# Altium PCB PCB1.PcbDoc (part 1 of 2)
Units mm, origin at the board's own origin, x right, y up, seen from the top; angles counter-clockwise.
Board outline 97.79 x 98.55 mm, 2 copper layers (Top Layer, Bottom Layer); 91 components, 149 nets, 486 pads, 202 vias.
Unrouted connection lines stored in the file: 1.
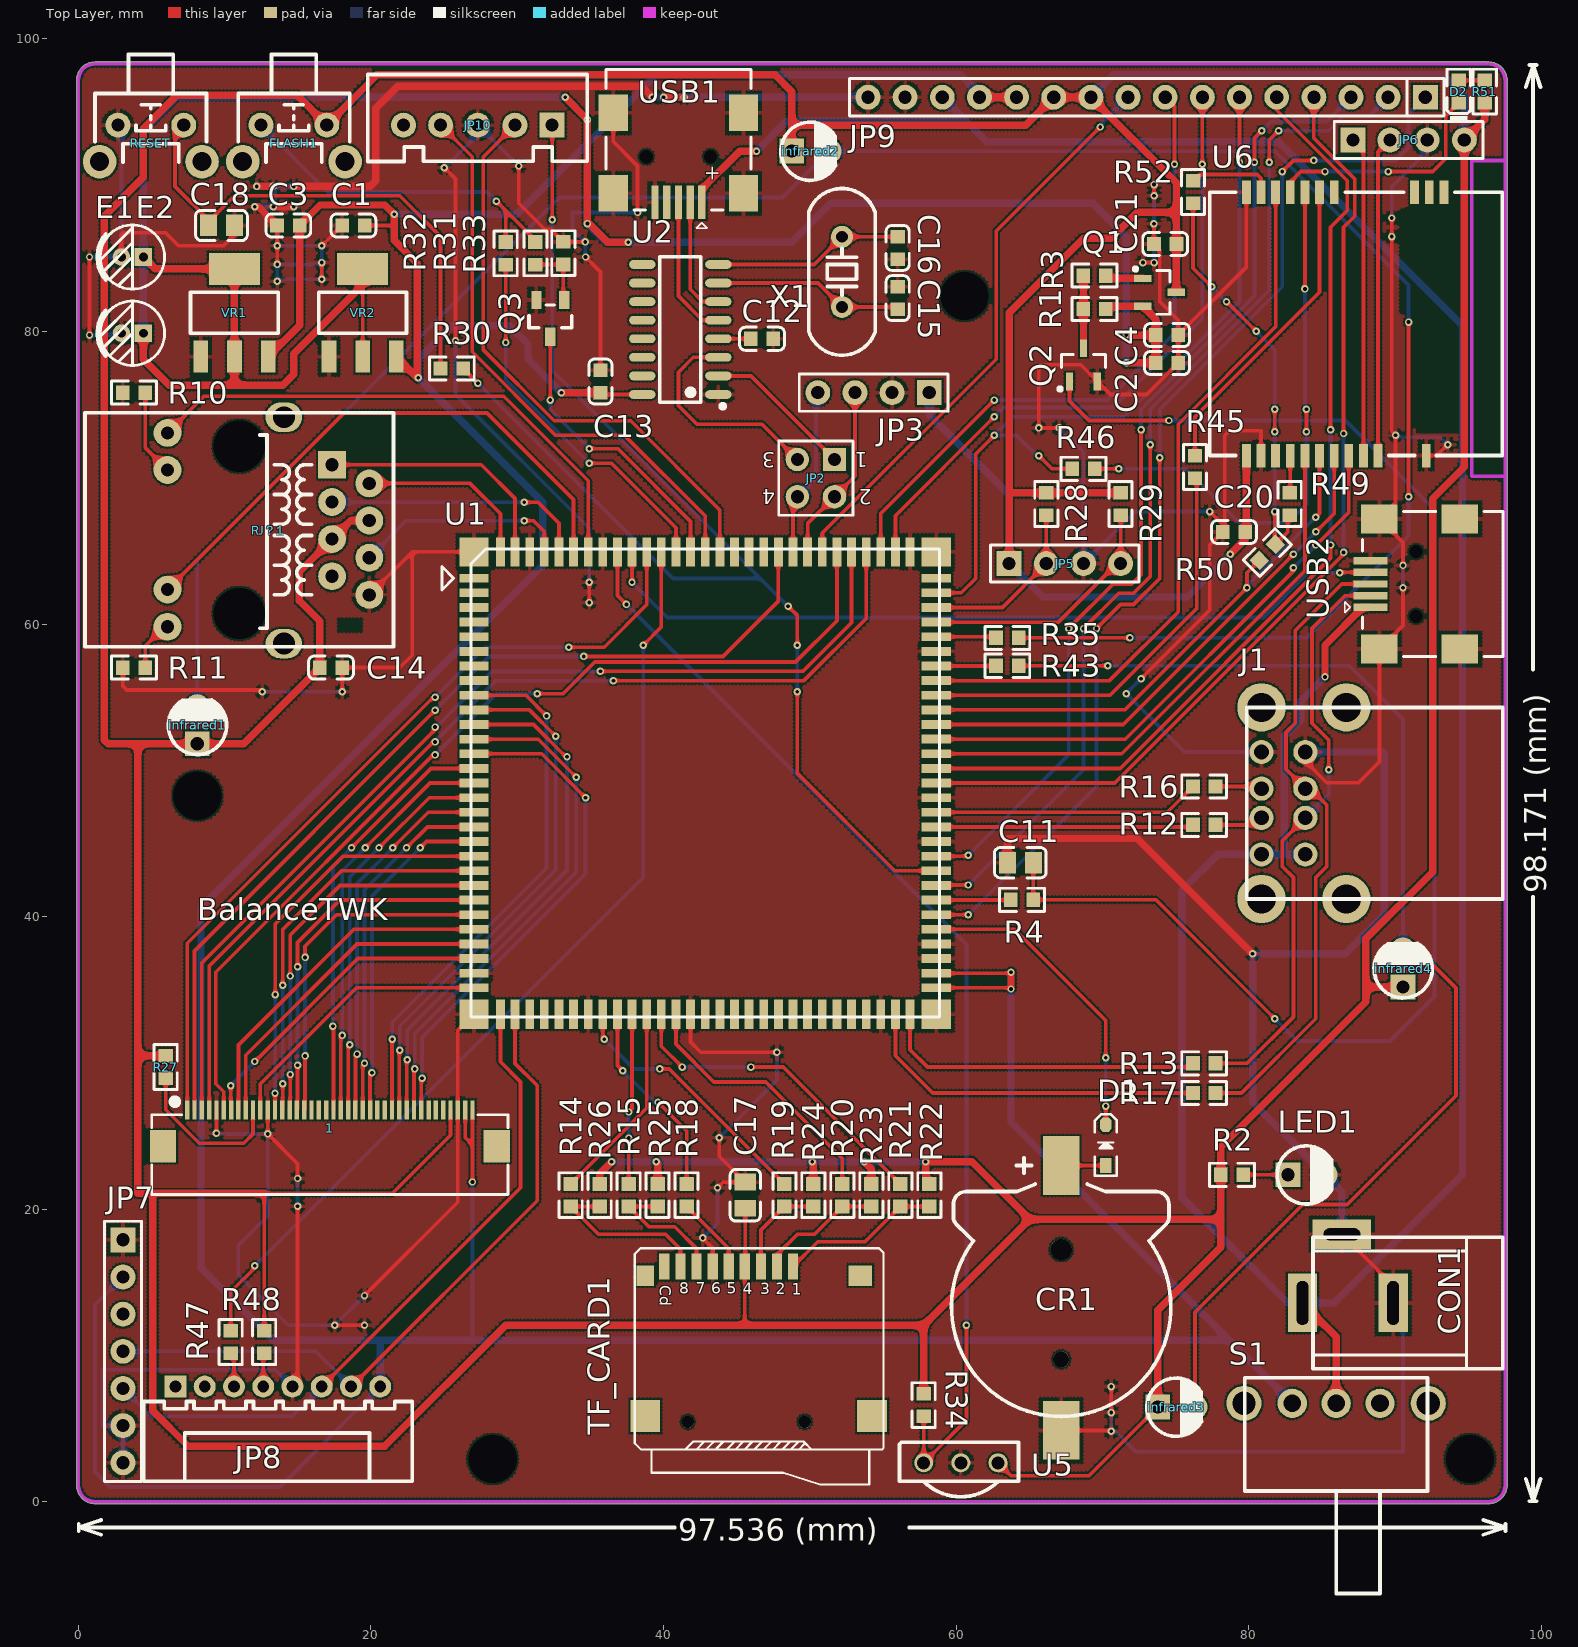
[diagram p0: Top Layer view]
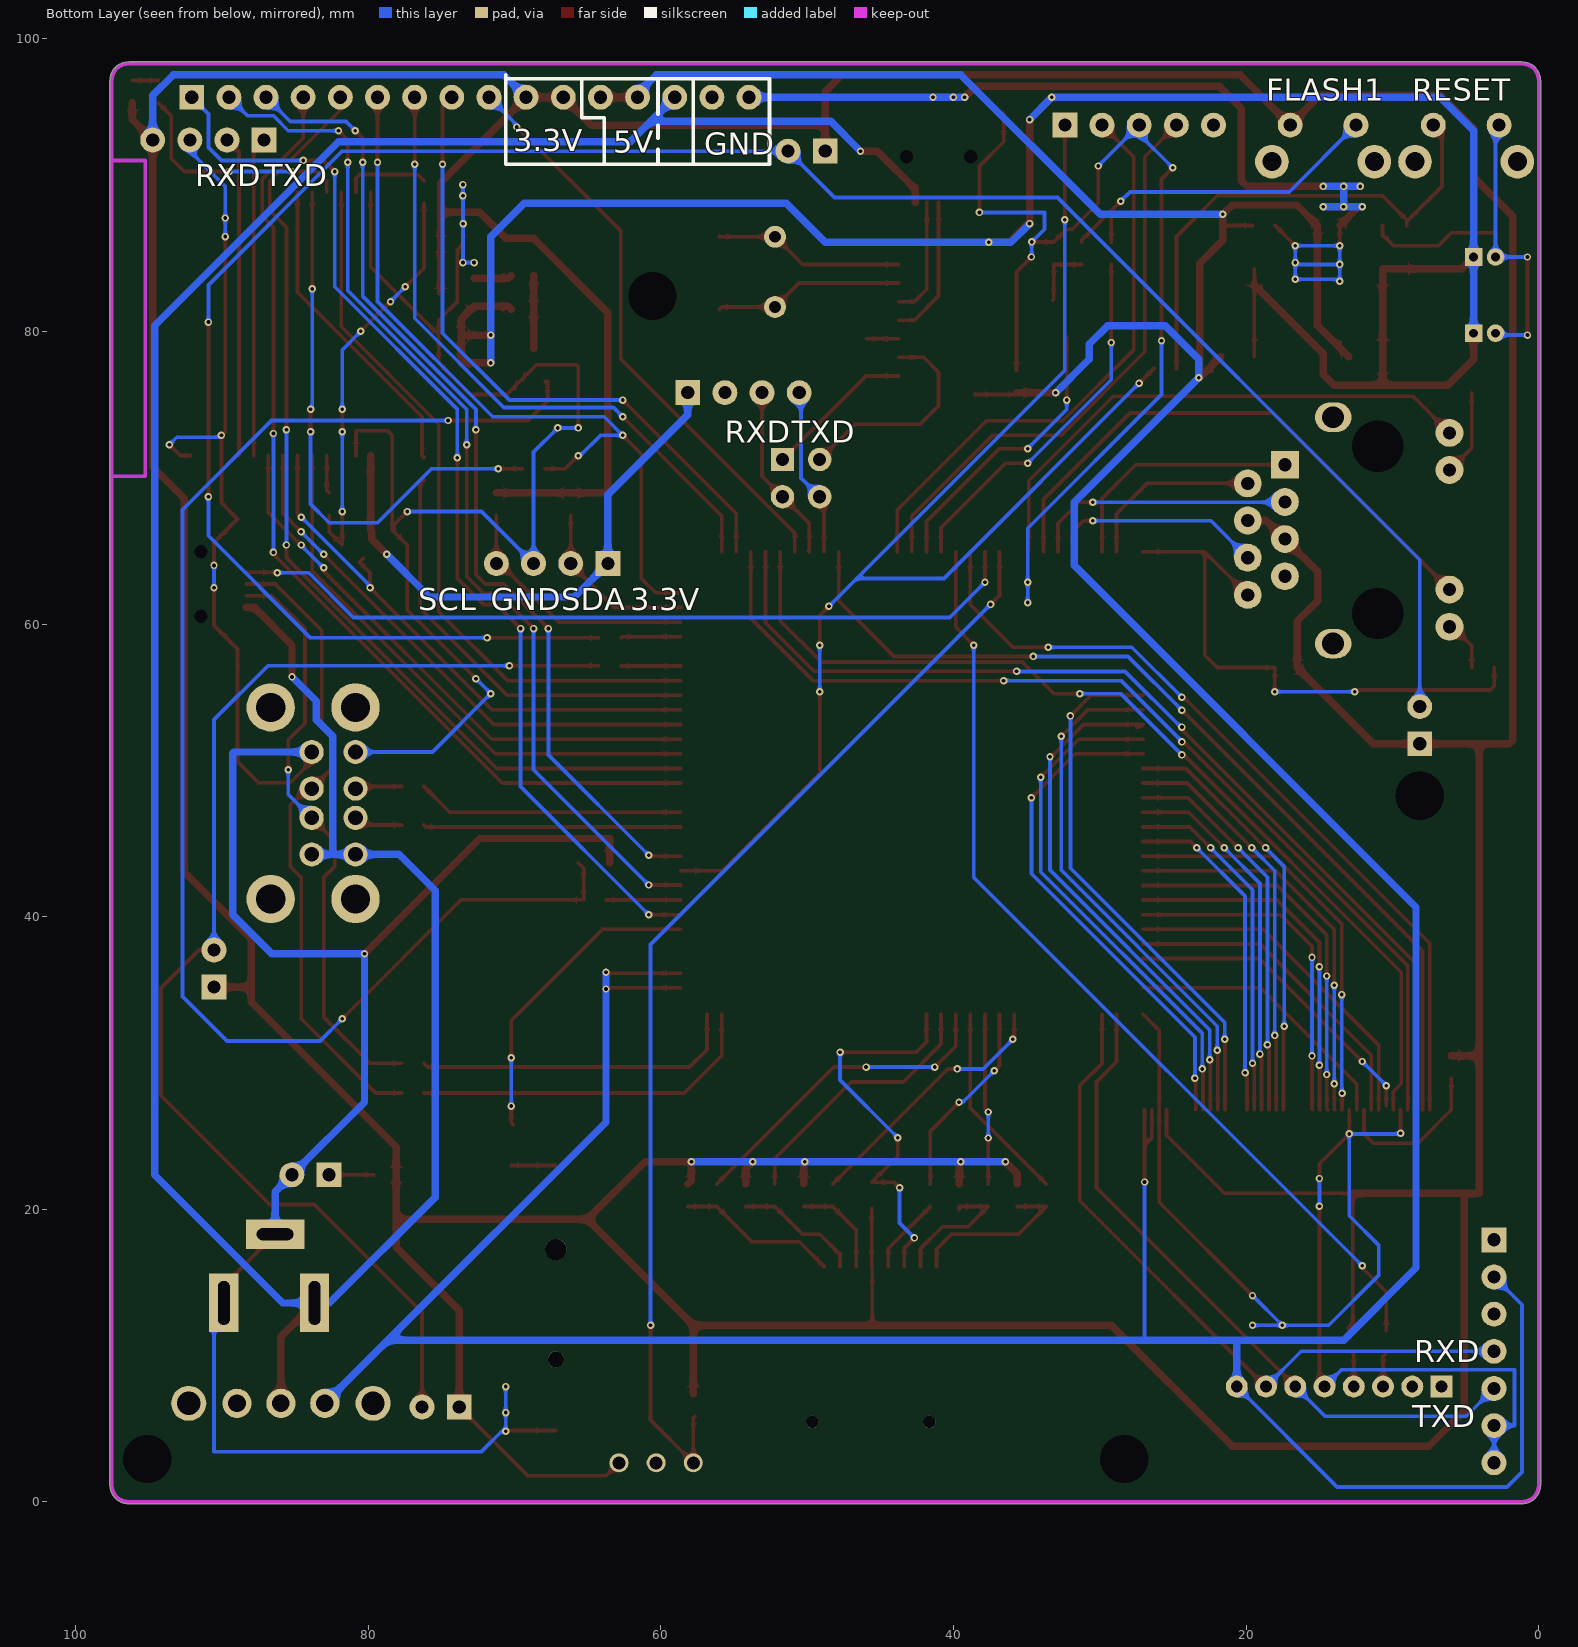
[diagram p1: Bottom Layer view, seen from below]

## Layer stack, top to bottom
Top Solder: solder mask 0.0102, Solder Resist, Dk 3.5
Top Layer: signal copper 0.0356
Dielectric 1: dielectric 0.32, FR-4, Dk 4.8
Bottom Layer: signal copper 0.0356
Bottom Solder: solder mask 0.0102, Solder Resist, Dk 3.5

## Board outline
-0.127,1.143 -0.127,97.155 cw(c1.143,97.155) 1.143,98.425 96.266,98.425 cw(c96.266,98.298) 96.329,98.408 cw(c96.393,98.298) 96.393,98.425 cw(c96.393,97.155) 97.663,97.155 cw(c97.536,97.155) 97.646,97.091 cw(c97.536,97.028) 97.663,97.028 97.663,1.143 cw(c96.393,1.143) 96.393,-0.127 1.143,-0.127 cw(c1.143,1.143)

## Design rules (kind name [scope] priority, off if disabled: settings)
Clearance [All] p1: gap=0.127
PolygonConnect [All] p1: connectstyle=Relief reliefconductorwidth=0.254 reliefentries=4 polygonreliefangle="90 Angle" airgapwidth=0.254
RoutingVias [All] p1: holewidth=0.254 width=0.508 viastyle="Through Hole" minholewidth=0.254 minwidth=0.508 maxholewidth=0.711 maxwidth=1.27
SolderMaskExpansion [All] p1: expansion=0.102
Width [All] p1: maxlimit=0.508 minlimit=0.254 preferedwidth=0.254
30 further rules are at their usual default settings.

## Classes and differential pairs
component class Sheet3: C18 C20 C21 CR1 D1 D2 FLASH1 infrared1 infrared2 infrared3 infrared4 JP5 JP7 JP8 JP9 JP10 Q3 R28 R29 R30 R31 R32 R33 R34 R35 R43 R44 R45 R46 R47 R48 R49 R50 R51 R52 RESET U5 U6
component class Sheet2: 1 C12 C13 C14 C15 C16 C17 J1 JP2 JP3 R10 R11 R12 R13 R14 R15 R16 R17 R18 R19 R20 R21 R22 R23 R24 R25 R26 R27 RJ？1 TF_CARD1 U2 USB1 USB2 X1
component class Sheet1: C1 C2 C3 C4 C11 CON1 E1 E2 LED1 Q1 Q2 R1 R2 R3 R4 S1 U1 VR1 VR2

## Components (designator, comment, footprint, x,y, rotation, side; value= is the part's Value field where it differs from the comment)
1 "FPC1.0-40P" "FPC0.5 2H-S-W-40P" 17.189,24.3 r0 top
C1 "100nF (104) 10% 50V" 0603_C 18.796,87.249 r0 top
C2 "100nF (104) 10% 50V" 0603_C 74.422,77.851 r180 top
C3 "100nF (104) 10% 50V" 0603_C 14.351,87.249 r0 top
C4 "100nF (104) 10% 50V" 0603_C 74.422,79.756 r180 top
C11 "100nF(104) 10% 50V" 0805_C 64.389,43.688 r180 top
C12 "100nF (104) 10% 50V" 0603_C 46.736,79.502 r180 top
C13 "100nF (104) 10% 50V" 0603_C 35.687,76.581 r90 top
C14 "100nF (104) 10% 50V" 0603_C 17.272,57.023 r180 top
C15 "22pF (220) 5% 50V" 0603_C 56.007,82.28 r90 top
C16 "22pF (220) 5% 50V" 0603_C 56.007,85.717 r270 top
C17 "100nF(104) 10% 50V" 0805_C 45.593,20.955 r90 top
C18 "100nF(104) 10% 50V" 0805_C 9.779,87.249 r0 top
C20 "10uF (106) 10% 10V" 0603_C 78.994,66.294 r0 top
C21 "10uF (106) 10% 10V" 0603_C 74.295,85.979 r0 top
CON1 "3.5*1.3" DC-005 89.876,13.589 r0 top
CR1 "1220" CR1220_B 67.183,13.335 r90 top
D1 "1N4148WS T4" SOD-323 70.231,24.384 r90 top
D2 "黄灯 0603" 0603_LED_S1 94.361,96.393 r90 top
E1 "10UF/16V" "CAP 1.5*4*8" 3.695,85.09 r180 top
E2 "10UF/16V" "CAP 1.5*4*8" 3.695,79.883 r180 top
FLASH1 "6x6x5" "TSW DIP-6*6*6_V" 14.732,94.107 r180 top
infrared1 "红色" "LED 3MM-R" 8.128,53.086 r90 top
infrared2 "红色" "LED 3MM-R" 50.038,92.329 r0 top
infrared3 "红色" "LED 3MM-R" 75.057,6.477 r0 top
infrared4 "红色" "LED 3MM-R" 90.551,36.449 r90 top
J1 "USB-A-D_0" USB-A-D 87.376,47.752 r270 top
JP2 "Header2X2" HDR-2X2 51.689,71.247 r180 top
JP3 "HDR-1X4" HDR-1X4_M 58.166,75.819 r180 top
JP5 "HDR-1X4" HDR-1X4_M 63.627,64.135 r0 top
JP6 "HDR-1X4" HDR-1X4 87.122,93.091 r0 top
JP7 "HDR-1X7" HDR-1X7_M 3.048,17.907 r270 top
JP8 "HDR-1X8" "PH2.0 D-W-8P" 6.636,7.874 r0 top
JP9 "HDR-1X16" HDR-1X16 92.075,96.012 r180 top
JP10 "HDR-1X5" XH2.54-5P 32.385,94.107 r180 top
LED1 "POWER" "LED 3MM-B" 83.955,22.352 r0 top
Q1 "SI2301" SOT23-3N 73.914,82.677 r270 top
Q2 "SI2302" SOT23-3N 68.707,77.724 r0 top
Q3 "SS8050 Y1" SOT-23(SOT-23-3) 32.258,80.899 r90 top
R1 "1KΩ (1001) ±1%" 0603_R 69.469,81.534 r0 top
R2 "1KΩ (1001) ±1%" 0603_R 78.867,22.352 r180 top
R3 "1KΩ (1001) ±1%" 0603_R 69.469,83.82 r180 top
R4 "1KΩ (1001) ±1%" 0603_R 64.516,41.148 r180 top
R10 "510Ω (5100) ±1%" 0603_R 3.81,75.819 r0 top
R11 "510Ω (5100) ±1%" 0603_R 3.81,57.023 r0 top
R12 "22Ω (22R0) ±1%" 0603_R 76.962,46.27 r0 top
R13 "22Ω (22R0) ±1%" 0603_R 76.962,29.972 r0 top
R14 "33Ω (33R0) ±1%" 0603_R 33.655,20.955 r90 top
R15 "33Ω (33R0) ±1%" 0603_R 37.617,20.955 r90 top
R16 "22Ω (22R0) ±1%" 0603_R 76.962,48.895 r0 top
R17 "22Ω (22R0) ±1%" 0603_R 76.962,27.94 r0 top
R18 "33Ω (33R0) ±1%" 0603_R 41.58,20.955 r90 top
R19 "33Ω (33R0) ±1%" 0603_R 48.26,20.955 r90 top
R20 "33Ω (33R0) ±1%" 0603_R 52.222,20.955 r90 top
R21 "33Ω (33R0) ±1%" 0603_R 56.185,20.955 r90 top
R22 "10KΩ (1002) ±1%" 0603_R 58.166,20.955 r270 top
R23 "10KΩ (1002) ±1%" 0603_R 54.204,20.955 r270 top
R24 "10KΩ (1002) ±1%" 0603_R 50.241,20.955 r270 top
R25 "10KΩ (1002) ±1%" 0603_R 39.599,20.955 r270 top
R26 "10KΩ (1002) ±1%" 0603_R 35.636,20.955 r270 top
R27 "1KΩ (1001) ±1%" 0603_R 5.969,29.718 r90 top
R28 "2.2KΩ (2201) ±1%" 0603_R 66.167,68.199 r90 top
R29 "2.2KΩ (2201) ±1%" 0603_R 71.247,68.199 r90 top
R30 "1KΩ (1001) ±1%" 0603_R 25.527,77.47 r0 top
R31 "10KΩ (1002) ±1%" 0603_R 31.242,85.344 r270 top
R32 "1KΩ (1001) ±1%" 0603_R 29.21,85.344 r90 top
R33 "1KΩ (1001) ±1%" 0603_R 33.147,85.352 r270 top
R34 "10KΩ (1002) ±1%" 0603_R 57.785,6.604 r90 top
R35 "510Ω (5100) ±1%" 0603_R 63.5,59.055 r180 top
R43 "510Ω (5100) ±1%" 0603_R 63.5,57.15 r180 top
R45 "1KΩ (1001) ±1%" 0603_R 76.327,70.739 r90 top
R46 "100Ω (1000) ±1%" 0603_R 68.707,70.612 r0 top
R47 "1KΩ (1001) ±1%" 0603_R 10.414,10.922 r90 top
R48 "1KΩ (1001) ±1%" 0603_R 12.7,10.922 r90 top
R49 "100Ω (1000) ±1%" 0603_R 82.804,68.199 r90 top
R50 "100Ω (1000) ±1%" 0603_R 81.28,64.897 r45 top
R51 "1KΩ (1001) ±1%" 0603_R 96.139,96.393 r90 top
R52 "100Ω (1000) ±1%" 0603_R 76.2,89.535 r90 top
RESET "6x6x5" "TSW DIP-6*6*6_V" 4.953,94.107 r180 top
RJ？1 "HR911105A" RJ-45A12 6.096,73.067 r180 top
S1 "SS-12F23" SS-12F23 85.979,6.731 r270 top
TF_CARD1 "SD-MICRO-TF" SD-MICRO-TF 48.857,16.088 r0 top
U1 "RT1052_CORE_P120" RT1052_CORE_P120 27.051,63.133 r0 top
U2 "CH340G" SOIC-16_150mil 41.148,80.137 r90 top
U5 "HS0038" HS0038 57.785,2.667 r0 top
U6 "MJIOT-AMB-03" 20PIN-MODULE-PLATFORM_DEBUG-01 77.343,80.518 r270 top
USB1 "USB-5P" USB-MINI-A 41.021,91.948 r180 top
USB2 "USB-5P" USB-MINI-A 91.44,62.738 r90 top
VR1 "AMS1117-3.3" SOT-223 10.668,81.28 r270 top
VR2 "AMS1117-3.3" SOT-223 19.431,81.28 r270 top
X1 "12MHz" "XTAL-49S DIP" 52.197,84.074 r90 top

## Footprints (in the part's own frame and the unit in brackets; to place one, negate y for a bottom-side part, rotate by r counter-clockwise, add the part's x,y. Pads: shape width x height; smd on the part's side, far side on the other; paste and mask are expansions set on the pad)
20PIN-MODULE-PLATFORM_DEBUG-01 [mm]
  rect 1.6x0.6 smd: 1(-9,16) 2(-9,15) 3(-9,14) 4(-9,8.5) 5(-9,7.5) 6(-9,6.5) 7(-9,5.5) 8(-9,4.5) 9(-9,3.5) 10(-9,2.5) 11(9,2.5) 12(9,3.5) 13(9,4.5) 14(9,5.5) 15(9,6.5) 16(9,7.5) 17(9,8.5) 18(9,9.5) 19(9,10.5) 20(9,11.5) 21(9,14.8)
  silkscreen extent -9,0 9,20
0603_C [mm]
  rect 0.93x0.98 smd: 1(-0.77,0) 2(0.77,0)
  silkscreen extent -1.53,-0.79 1.54,0.79, body extent -0.8,-0.4 0.8,0.4, height 0.3
0603_LED_S1 [mm]
  rect 0.93x0.98 smd: A(0.77,0) K(-0.77,0)
  silkscreen extent -1.98,-0.79 1.54,0.79, body extent -0.8,-0.4 0.8,0.4, height 0.6
0603_R [mm]
  rect 0.93x0.98 smd: 1(-0.77,0) 2(0.77,0)
  silkscreen extent -1.53,-0.79 1.54,0.79, body extent -0.85,-0.4 0.85,0.4, height 0.56
0805_C [mm]
  rect 1.16x1.47 smd: 1(-0.89,0) 2(0.89,0)
  silkscreen extent -1.77,-1.04 1.77,1.04, body extent -1,-0.62 1,0.63, height 0.77
"CAP 1.5*4*8" [mm] "脚距1.5mm直径4mm高度8mm"
  rect 1.2x1.2 hole 0.6: 1(-0.75,0)
  round 1.2 hole 0.6: 2(0.75,0)
  silkscreen extent -2.2,-2.2 2.41,2.2, body extent -2,-2 2.02,2, height 8.04
CR1220_B [mm] "纽扣电池座"
  round 1.1 hole 1.1: 0(-3.6,0)
  round 1.45 hole 1.45: 0(3.9,0)
  rect 4x2.5 smd: 1(9.652,0) 2(-8.458,0)
  silkscreen extent -7.5,-7.5 10.16,7.5, body extent -9.42,-7.45 10.34,7.45, height 4.05
DC-005 [mm] "5.5*2.1mm，DC30V,2.5A"
  rect 2x4 hole 0.8 slot 3 at 90 deg: 1(-6.2,0) 2(0,0)
  rect 4x2 hole 0.8 slot 2.5 at 0 deg: 3(-3.5,4.7)
  silkscreen extent -5.48,-4.5 7.5,4.5, body extent -6.55,-4.5 7.5,4.8, height 11.2
"FPC0.5 2H-S-W-40P" [mm] "长：24.2mm，宽：5.2mm，高：2mm"
  rect 1.8x2.2 smd: 0(-11.4,0) 0(11.4,0)
  rect 0.3x1.3 smd: 1(-9.75,2.497) 2(-9.25,2.497) 3(-8.75,2.497) 4(-8.25,2.497) 5(-7.75,2.497) 6(-7.25,2.497) 7(-6.75,2.497) 8(-6.25,2.497) 9(-5.75,2.497) 10(-5.25,2.497) 11(-4.75,2.497) 12(-4.25,2.497) 13(-3.75,2.497) 14(-3.25,2.497) 15(-2.75,2.497) 16(-2.25,2.497) 17(-1.75,2.497) 18(-1.25,2.497) 19(-0.75,2.497) 20(-0.25,2.497) 21(0.25,2.497) 22(0.75,2.497) 23(1.25,2.497) 24(1.75,2.497) 25(2.25,2.497) 26(2.75,2.497) 27(3.25,2.497) 28(3.75,2.497) 29(4.25,2.497) 30(4.75,2.497) 31(5.25,2.497) 32(5.75,2.497) 33(6.25,2.497) 34(6.75,2.497) 35(7.25,2.497) 36(7.75,2.497) 37(8.25,2.497) 38(8.75,2.497) 39(9.25,2.497) 40(9.75,2.497)
  silkscreen extent -12.17,-3.3 12.17,3.23, body extent -12.1,-3.15 12.1,2.85, height 2
HDR-1X4 [mm] "排针，4脚"
  rect 1.7x1.7 hole 0.9: 1(0,0)
  round 1.7 hole 0.9: 2(2.54,0) 3(5.08,0) 4(7.62,0)
  silkscreen extent -1.27,-1.27 8.89,1.27, body extent -1.27,-1.27 8.89,1.27, height 8.5
HDR-1X4_M [mm] "排母，4脚"
  rect 1.7x1.7 hole 0.9: 1(0,0)
  round 1.7 hole 0.9: 2(2.54,0) 3(5.08,0) 4(7.62,0)
  silkscreen extent -1.27,-1.27 8.89,1.27, body extent -1.27,-1.27 8.89,1.27, height 8.5
HDR-1X7_M [mm] "排母，7脚"
  rect 1.7x1.7 hole 0.9: 1(0,0)
  round 1.7 hole 0.9: 2(2.54,0) 3(5.08,0) 4(7.62,0) 5(10.16,0) 6(12.7,0) 7(15.24,0)
  silkscreen extent -1.27,-1.27 16.51,1.27, body extent -1.27,-1.27 16.51,1.27, height 8.5
HDR-1X16 [mm] "排针，16脚"
  rect 1.7x1.7 hole 0.9: 1(0,0)
  round 1.7 hole 0.9: 2(2.54,0) 3(5.08,0) 4(7.62,0) 5(10.16,0) 6(12.7,0) 7(15.24,0) 8(17.78,0) 9(20.32,0) 10(22.86,0) 11(25.4,0) 12(27.94,0) 13(30.48,0) 14(33.02,0) 15(35.56,0) 16(38.1,0)
  silkscreen extent -1.27,-1.27 39.37,1.27, body extent -1.27,-1.27 39.37,1.27, height 8.5
HDR-2X2 [mm] "双排排针，2x2脚"
  rect 1.6x1.6 hole 0.9: 1(0,0)
  round 1.6 hole 0.9: 2(0,2.54) 3(2.54,0) 4(2.54,2.54)
  silkscreen extent -1.27,-1.27 3.81,3.81, body extent -1.27,-1.27 3.81,3.81, height 8.5
HS0038 [mm]
  round 1.3 hole 0.889: 1(0,0) 2(2.54,0) 3(5.08,0)
  silkscreen extent -1.65,-2.32 6.48,1.4
"LED 3MM-B" [mm] "蓝色3mm直插LED"
  rect 1.7x1.7 hole 0.9: 1(-1.27,0)
  round 1.7 hole 0.9: 2(1.27,0)
  silkscreen extent -2.01,-2 1.72,1.98, body extent -1.95,-1.95 1.64,1.95, height 5.55
"LED 3MM-R" [mm] "红色3mm直插LED"
  rect 1.7x1.7 hole 0.9: 1(-1.27,0)
  round 1.7 hole 0.9: 2(1.27,0)
  silkscreen extent -2.01,-2 1.72,1.98, body extent -1.95,-1.95 1.64,1.95, height 5.55
"PH2.0 D-W-8P" [mm] "接插件/1A"
  rect 1.5x1.5 hole 0.8: 1(0,0)
  round 1.5 hole 0.8: 2(2,0) 3(4,0) 4(6,0) 5(8,0) 6(10,0) 7(12,0) 8(14,0)
  silkscreen extent -2.16,-6.48 16.19,-1.02, body extent -1.95,-6.3 15.95,0.3, height 4.72
RJ-45A12 [mil] "网线接口"
  oval 98.43x78.74 hole 59.06: 0(-312.99,567.32) 0(-312.99,-42.13)
  round 130 hole 137.8: 0(-192.91,485.83) 0(-192.91,35.83)
  rect 75x75 hole 35.43: 1(-442.91,85.83)
  round 75 hole 35.43: 2(-542.91,135.83) 3(-442.91,185.83) 4(-542.91,235.83) 5(-442.91,285.83) 6(-542.91,335.83) 7(-442.91,385.83) 8(-542.91,435.83) 9(0,0) 10(0,100) 11(0,421.65) 12(0,521.65)
  silkscreen extent -608,-54 222,576, body extent -605,-53 237,572, height 59
RT1052_CORE_P120 [mm]
  rect 2x0.6 smd: 1(0,0) 2(0,-1) 3(0,-2) 4(0,-3) 5(0,-4) 6(0,-5) 7(0,-6) 8(0,-7) 9(0,-8) 10(0,-9) 11(0,-10) 12(0,-11) 13(0,-12) 14(0,-13) 15(0,-14) 16(0,-15) 17(0,-16) 18(0,-17) 19(0,-18) 20(0,-19) 21(0,-20) 22(0,-21) 23(0,-22) 24(0,-23) 25(0,-24) 26(0,-25) 27(0,-26) 28(0,-27) 29(0,-28) 59(31.6,-28) 60(31.6,-27) 61(31.6,-26) 62(31.6,-25) 63(31.6,-24) 64(31.6,-23) 65(31.6,-22) 66(31.6,-21) 67(31.6,-20) 68(31.6,-19) 69(31.6,-18) 70(31.6,-17) 71(31.6,-16) 72(31.6,-15) 73(31.6,-14) 74(31.6,-13) 75(31.6,-12) 76(31.6,-11) 77(31.6,-10) 78(31.6,-9) 79(31.6,-8) 80(31.6,-7) 81(31.6,-6) 82(31.6,-5) 83(31.6,-4) 84(31.6,-3) 85(31.6,-2) 86(31.6,-1) 87(31.6,0)
  rect 0.6x2 smd: 30(1.8,-29.8) 31(2.8,-29.8) 32(3.8,-29.8) 33(4.8,-29.8) 34(5.8,-29.8) 35(6.8,-29.8) 36(7.8,-29.8) 37(8.8,-29.8) 38(9.8,-29.8) 39(10.8,-29.8) 40(11.8,-29.8) 41(12.8,-29.8) 42(13.8,-29.8) 43(14.8,-29.8) 44(15.8,-29.8) 45(16.8,-29.8) 46(17.8,-29.8) 47(18.8,-29.8) 48(19.8,-29.8) 49(20.8,-29.8) 50(21.8,-29.8) 51(22.8,-29.8) 52(23.8,-29.8) 53(24.8,-29.8) 54(25.8,-29.8) 55(26.8,-29.8) 56(27.8,-29.8) 57(28.8,-29.8) 58(29.8,-29.8) 88(29.8,1.8) 89(28.8,1.8) 90(27.8,1.8) 91(26.8,1.8) 92(25.8,1.8) 93(24.8,1.8) 94(23.8,1.8) 95(22.8,1.8) 96(21.8,1.8) 97(20.8,1.8) 98(19.8,1.8) 99(18.8,1.8) 100(17.8,1.8) 101(16.8,1.8) 102(15.8,1.8) 103(14.8,1.8) 104(13.8,1.8) 105(12.8,1.8) 106(11.8,1.8) 107(10.8,1.8) 108(9.8,1.8) 109(8.8,1.8) 110(7.8,1.8) 111(6.8,1.8) 112(5.8,1.8) 113(4.8,1.8) 114(3.8,1.8) 115(2.8,1.8) 116(1.8,1.8)
  rect 2x2 smd: 117(0,1.8) 118(0,-29.8) 119(31.6,-29.8) 120(31.6,1.8)
  silkscreen extent -2.2,-30 31.8,2
SD-MICRO-TF [mm]
  rect 2.032x2.2 smd: 0(-10.1,-10.227) 0(5.4,-10.227)
  rect 1.2x1.4 smd: 0(-10.1,-0.627)
  round 0.85 hole 0.85 unplated: 0(-7.2,-10.627) 0(0.8,-10.627)
  rect 1.6x1.4 smd: 0(4.6,-0.627)
  rect 0.7x1.8 smd: 1(0,0) 2(-1.1,0) 3(-2.2,0) 4(-3.3,0) 5(-4.4,0) 6(-5.5,0) 7(-6.6,0) 8(-7.7,0) 9(-8.8,0)
  silkscreen extent -10.82,-14.91 6.17,1.25, body extent -10.37,-14.85 5.9,0.34, height 1.8
SOD-323 [mm] "1.8x1.3X0.9mm（长宽高，不包括引脚）"
  rect 1x0.8 smd: 1(-1.4,0)
  oct 1x0.8 smd: 2(1.4,0)
  silkscreen extent -2.11,-0.76 2.11,0.76, body extent -1.34,-0.63 1.31,0.67, height 1
SOIC-16_150mil [mm]
  oval 0.6x1.8 smd: 1(-4.445,-2.6) 2(-3.175,-2.6) 3(-1.905,-2.6) 4(-0.635,-2.6) 5(0.635,-2.6) 6(1.905,-2.6) 7(3.175,-2.6) 8(4.445,-2.6) 9(4.445,2.6) 10(3.175,2.6) 11(1.905,2.6) 12(0.635,2.6) 13(-0.635,2.6) 14(-1.905,2.6) 15(-3.175,2.6) 16(-4.445,2.6)
  silkscreen extent -5.4,-3.05 4.97,1.4, body extent -4.95,-2.97 4.95,3.03, height 1.75
SOT23-3N [mm] "3x1.3x1mm(长宽高)"
  rect 0.5x1.2 smd: 1(-0.95,-1.143) 2(0.95,-1.143) 3(0,1.143)
  silkscreen extent -1.72,-1.78 1.5,0.7, body extent -1.5,-1.2 1.5,1.2, height 1.05
SOT-23(SOT-23-3) [mm]
  rect 1.25x0.7 smd: 1(1.25,-0.95) 2(1.25,0.95) 3(-1.25,0)
  silkscreen extent -0.65,-1.46 0.9,1.46, body extent -1.5,-1.5 1.5,1.5, height 1.3
SOT-223 [mm]
  rect 2.2x1 smd: 1(3,-2.3) 2(3,0) 3(3,2.3)
  rect 2.2x3.5 smd: 2(-3,0)
  silkscreen extent -1.4,-3 1.4,3, body extent -3.49,-3.24 3.49,3.24, height 1.64
SS-12F23 [mm] "脚距3mm"
  round 2.4 hole 1.6: 0(0,6.3) 0(0,-6.3)
  round 2 hole 1.2: 1(0,3) 2(0,0) 3(0,-3)
  silkscreen extent -1.75,-6.25 13,6.25, body extent -0.61,-6.52 12.29,6.48, height 5.75
"TSW DIP-6*6*6_V" [mm] "侧按轻触开关 6*6*6mm"
  round 2.3 hole 1.3: 0(-3.5,2.5) 0(3.5,2.5)
  round 1.7 hole 0.9: 1(-2.25,0) 2(2.25,0)
  silkscreen extent -3.81,-4.83 3.81,2.54, body extent -4.18,-4.72 4.18,4.13, height 7.47
USB-A-D [mm]
  round 1.651 hole 1: 1(3.5,-6.5) 2(1,-6.5) 3(-1,-6.5) 4(-3.5,-6.5) 7(3.5,-3.5) 8(1,-3.5) 9(-1,-3.5) 10(-3.5,-3.5)
  round 3.3 hole 2: 5(-6.55,-6.5) 6(6.55,-6.5) 11(-6.55,-0.7) 12(6.55,-0.7)
  silkscreen extent -6.55,-7.5 6.55,10
USB-MINI-A [mm] "MINI型USB，7.9*7.5*4.1mm"
  rect 0.5x2.3 smd: 1(-1.6,3.108) 2(-0.8,3.108) 3(0,3.108) 4(0.8,3.108) 5(1.6,3.108)
  rect 2x2.5 smd: 5(-4.45,2.5) 5(-4.45,-3) 5(4.45,2.5) 5(4.45,-3)
  round 0.6 hole 0.9 unplated: MH1(2.2,0) MH2(-2.2,0)
  silkscreen extent -4.95,-5.95 4.95,4.89, body extent -4.75,-6 4.75,3.7, height 3.95
XH2.54-5P [mm] "接插件，5P"
  rect 1.7x1.7 hole 0.9: 1(0,0)
  round 1.7 hole 0.9: 2(2.54,0) 3(5.08,0) 4(7.62,0) 5(10.16,0)
  silkscreen extent -2.4,-3.45 12.6,2.49, body extent -2.5,-3.3 12.66,2.4, height 7.03
"XTAL-49S DIP" [mm]
  round 1.5 hole 0.8: 1(-2.4,0) 2(2.4,0)
  silkscreen extent -5.7,-2.28 5.7,2.28, body extent -5.68,-2.35 5.68,2.3, height 3.5

## Part data
1: library part FPC-40P, "FPC连接器"
C1 C2 C3 C4 C12 C13 C14: library part "0603 100nF (104) 10% 50V", "贴片电容"
C11 C17 C18: library part "0805 100nF(104) 10% 50V", "贴片电容"
C15 C16: library part "0805 22pF (220) 5% 50V", "贴片电容"
C20 C21: library part "0603 10uF (106) 10% 10V", "贴片电容"
CON1: library part P-DC, "低压电源接口"
CR1: library part CR-3V, "微型电池"
D1: library part "SOD-323 1N4148WS T4", "二极管"
D2: library part "0603 黄灯", "发光二极管"
E1 E2: library part C-CAP, "直插电解电容"
FLASH1 RESET: library part "TSW DIP-6x6_V", "侧按直插6x6轻触开关"
infrared1 infrared2 infrared3 infrared4 LED1: library part LED-3MM, "插件LED"
JP2: library part "Header 2X2", "2*2P接插件"
JP3 JP5 JP6: library part "Header 4", "4P接插件"
JP7: library part "Header 7", "7P接插件"
JP8: library part "Header 8", "8P接插件"
JP9: library part "Header 16", "16P接插件"
JP10: library part "Header 5", "5P接插件"
Q1: "P沟道场效应管"
Q2: "N沟道场效应管"
Q3: library part "SOT-23 SS8050 Y1", "三极管"
R1 R2 R3 R4 R27 R30 R32 R33 R45 R47 R48 R51: library part "0603 1KΩ (1001) 1%", "贴片电阻"
R10 R11 R35 R43: library part "0603 510Ω (5100) 1%", "贴片电阻"
R12 R13 R16 R17: library part "0603 22Ω (22R0) 1%", "贴片电阻"
R14 R15 R18 R19 R20 R21: library part "0603 33Ω (33R0) 1%", "贴片电阻"
R22 R23 R24 R25 R26 R31 R34: library part "0603 10KΩ (1002) 1%", "贴片电阻"
R28 R29: library part "0603 2.2KΩ (2201) 1%", "贴片电阻"
R46 R49 R50 R52: library part "0603 100Ω (1000) 1%", "贴片电阻"
RJ？1: "带灯以太网接口"
S1: library part SSW-1P, "1路波动开关"
TF_CARD1: "SD,MICRO,TF"
U2: library part CH340G_[C14267], "USB"
USB1 USB2: "微型USB母座"
VR1 VR2: library part "SOT-223 AMS1117-3.3", "低压差线性稳压(LDO)"
X1: library part XTAL-2, "2脚晶振"

## Free pads (board coordinates)
  round 1.524 hole 3.3: 2(95.123,2.921) 3(28.321,2.921) 4(60.579,82.423) 5(8.128,48.26)

## Via types
v1: diameter 0.508, hole 0.254, Top Layer to Bottom Layer, 202 vias

## Nets (pads, with @x,y where several pads share a name; then routed paths per layer and width w, separated by ;. In a path a pad name is that pad's centre, name@x,y a point inside that pad or via, vN(x,y) a via of type N, cw(c..) or ccw(c..) an arc to the next point about the centre after c; other vN are vias at no path point)
3.3V_EXT: 1.37 C14.2 C17.1 C20.2 C21.2 FLASH1.1 infrared1.1 infrared2.1 infrared3.1 infrared4.1 JP3.1 JP5.1 JP6.4 JP9.10 JP9.11 Q1.3 R2.2 R22.1 R23.1 R24.1 R25.1 R26.1 R27.2 R28.2 R29.2 R34.2 R48.2 R51.1 RJ？1.4 RJ？1.5 TF_CARD1.4 U5.3 U6.11 | length 597.5
  Top Layer w0.254: R48.2@12.7,12.065 12.7,21.082 21.463,21.082 25.439,25.058 1.37@25.439,26.797 ; 45.557,12.065 TF_CARD1.4@45.557,16.088 45.593,16.124 C17.1@45.593,20.065 ; U5.3@62.865,2.667 63.754,1.778 69.088,1.778 infrared3.1@73.787,6.477
  Top Layer w0.508: R27.2@5.969,30.488 4.072,30.488 ; R48.2@12.7,11.692 R48.2@12.886,11.879 ; 12.7,21.082 4.953,21.082 ; RJ？1.4@19.886,67.077 18.616,67.077 RJ？1.5@17.346,65.807 15.113,63.574 15.113,61.595 16.502,60.206 C14.2@16.502,57.023 11.295,51.816 infrared1.1@8.128,51.816 4.072,51.816 ; R26.1@35.636,21.725 35.636,22.428 v1(36.449,23.241) ; v1(39.497,23.241) 39.599,23.139 R25.1@39.599,21.725 ; infrared2.1@48.768,92.329 48.768,94.107 ; v1(50.165,23.241) 50.241,23.165 R24.1@50.241,21.725 ; v1(53.721,23.241) 54.204,22.758 R23.1@54.204,21.725 ; R34.2@57.785,7.374 57.785,12.065 ; R22.1@58.166,21.725 57.912,21.979 v1(57.912,23.241) 61.087,23.241 65.024,19.304 ; JP5.1@63.627,64.135 63.627,68.961 ; R29.2@71.247,68.969 R28.2@66.167,68.969 63.635,68.969 63.627,68.961 ; infrared3.1@73.787,6.477 73.787,13.081 78.102,17.396 78.1,19.304 ; Q1.3@75.057,82.677 75.057,85.971 C21.2@75.065,85.979 75.065,88.138 ; v1(78.74,64.77) 79.764,65.794 C20.2@79.764,66.294 79.843,66.373 U6.11@79.843,71.518 ; infrared4.1@90.551,35.179 88.011,35.179 ; R51.1@96.139,95.623 96.139,94.488 JP6.4@94.742,93.091 94.742,70.739 92.583,68.58 92.583,43.053 88.011,38.481 88.011,35.179 ; 4.072,30.488 4.072,21.09 4.064,21.082 4.953,21.082 ; 4.072,30.488 4.072,51.816 ; 4.072,51.816 2.032,51.816 1.778,52.07 1.778,87.884 4.445,90.551 4.445,93.853 6.731,96.139 14.95,96.139 FLASH1.1@16.982,94.107 20.411,97.536 47.625,97.536 48.768,96.393 48.768,94.107 ; 4.953,21.082 5.08,20.955 5.08,6.223 7.493,3.81 20.955,3.81 29.21,12.065 45.557,12.065 57.785,12.065 ; R48.2@12.886,11.879 12.7,12.065 R48.2@12.886,11.879 ; 48.768,94.107 64.77,94.107 JP9.11@66.675,96.012 JP9.10@69.215,96.012 75.065,90.162 75.065,88.138 ; 57.785,12.065 65.024,19.304 ; 63.627,68.961 63.627,81.28 68.707,86.36 70.612,86.36 72.39,88.138 75.065,88.138 ; 65.024,19.304 78.1,19.304 ; 78.1,19.304 R2.2@78.097,22.352 78.097,24.249 88.011,34.163 88.011,35.179
  Bottom Layer w0.508: v1(36.449,23.241) v1(39.497,23.241) v1(50.165,23.241) v1(53.721,23.241) v1(57.912,23.241) ; JP3.1@58.166,75.819 58.166,74.295 63.627,68.834 JP5.1@63.627,64.135 65.913,61.849 75.819,61.849 v1(78.74,64.77) ; JP9.10@69.215,96.012 70.739,97.536 93.345,97.536 94.742,96.139 JP6.4@94.742,93.091
3.3V_IN: C2.2 C4.2 E1.1 E2.1 Q1.2 R1.2 VR1.2 VR2.2 | length 158.9
  Top Layer w0.254: VR2.2@19.431,78.28 19.431,83.185 VR2.2@19.431,84.28
  Top Layer w0.508: E2.1@4.445,79.883 4.445,78.105 6.223,76.327 10.668,76.327 ; E1.1@4.445,85.09 5.255,84.28 VR1.2@10.668,84.28 VR1.2@10.668,78.28 10.668,76.327 ; VR2.2@19.431,83.185 14.732,78.486 14.732,77.089 13.97,76.327 10.668,76.327 ; v1(33.274,96.012) v1(34.798,94.488) v1(34.798,87.376) ; v1@34.861,87.439 36.195,86.106 v1(37.592,86.106) ; R1.2@70.239,81.534 70.432,81.727 Q1.2@72.771,81.727 73.652,80.846 C4.2@73.652,79.756 ; v1(71.628,77.851) C2.2@73.652,77.851 C4.2@73.652,79.756 ; v1(71.628,79.756) C4.2@73.652,79.756
  Bottom Layer w0.508: E2.1@4.445,79.883 E1.1@4.445,85.09 4.445,93.726 6.731,96.012 v1(33.274,96.012) v1(34.798,94.488) ; v1(34.798,87.376) 36.068,86.106 v1(37.592,86.106) 48.768,86.106 51.435,88.773 69.342,88.773 71.628,86.487 v1(71.628,79.756) v1(71.628,77.851)
5.0V: 1.39 1.40 C1.2 C3.2 C13.1 JP7.2 JP8.8 JP9.12 JP9.13 S1.3 U1.59 U1.60 U2.16 VR1.3 VR2.3 | length 354
  Top Layer w0.254: C1.2@19.566,87.249 21.59,87.249 ; 1.39@26.439,26.797 26.439,24.884 26.939,24.384 ; v1(26.939,21.859) 26.939,24.384 ; 1.40@26.939,26.797 26.939,24.384 ; C13.1@35.687,75.811 35.806,75.692 U2.16@38.548,75.692 ; U1.59@58.651,35.133 63.673,35.133 v1(63.754,35.052) ; U1.60@58.651,36.133 63.692,36.133 v1(63.754,36.195)
  Top Layer w0.508: VR1.3@12.968,78.28 15.121,80.433 C3.2@15.121,87.249 16.518,88.646 20.955,88.646 v1(21.59,88.011) 21.59,87.249 21.59,86.233 23.176,84.647 23.176,76.835 VR2.3@21.731,78.28 ; v1(33.02,75.819) 35.679,75.819 C13.1@35.687,75.811 ; JP9.13@61.595,96.012 JP9.12@64.135,96.012 ; v1(63.754,35.052) v1(63.754,36.195)
  Bottom Layer w0.254: JP7.2@3.048,15.367 1.143,13.462 1.143,2.032 2.159,1.016 13.778,1.016 JP8.8@20.636,7.874 ; v1(26.939,21.859) 26.939,11.161 27.051,11.049
  Bottom Layer w0.508: JP8.8@20.636,7.874 20.636,10.984 20.701,11.049 ; v1(21.59,88.011) 29.972,88.011 39.497,97.536 60.325,97.536 JP9.13@61.722,96.139 ; v1(33.02,75.819) 30.734,78.105 30.734,79.121 29.464,80.391 25.527,80.391 23.241,78.105 v1(23.241,76.835) 31.75,68.326 31.75,64.008 8.382,40.64 8.382,16.002 13.335,11.049 20.701,11.049 ; v1(63.754,36.195) v1(63.754,35.052) 63.754,25.956 78.661,11.049 ; S1.3@82.979,6.731 78.661,11.049 ; 20.701,11.049 27.051,11.049 78.661,11.049
CH340_RXD: JP2.3 U2.3 | length 15.1
  Top Layer w0.254: U2.3@43.748,78.232 42.037,78.232 41.021,77.216 41.021,74.93 42.291,73.66 46.736,73.66 JP2.3@49.149,71.247
CH340_TXD: JP2.1 U2.2 | length 10.3
  Top Layer w0.254: U2.2@43.748,76.962 45.974,76.962 JP2.1@51.689,71.247
CH340_UD+: U2.5 USB1.3 | length 9.8
  Top Layer w0.254: USB1.3@41.021,88.84 41.021,82.423 42.672,80.772 U2.5@43.748,80.772
CH340_UD-: U2.6 USB1.2 | length 8.2
  Top Layer w0.254: USB1.2@41.821,88.84 41.821,82.893 42.672,82.042 U2.6@43.748,82.042
E_GPIO0: 
E_GPIO2: 
E_GPIO15: 
ESP8266_3.3V: 
ESP8266_EN: 
ESP8266_REST: 
ESP8266_RXD: 
ESP8266_TXD: 
ETH_LINK: RJ？1.11 U1.111 | length 38.8
  Top Layer w0.254: RJ？1.11@6.096,62.357 18.161,74.422 27.94,74.422 33.851,68.511 U1.111@33.851,64.933
ETH_RXN: RJ？1.6 U1.113 | length 14.7
  Top Layer w0.254: v1(30.48,67.056) 31.115,67.056 31.851,66.32 U1.113@31.851,64.933
  Bottom Layer w0.254: RJ？1.6@19.886,64.537 22.405,67.056 v1(30.48,67.056)
ETH_RXP: RJ？1.3 U1.112 | length 18.1
  Top Layer w0.254: v1(30.48,68.326) 31.411,68.326 32.851,66.886 U1.112@32.851,64.933
  Bottom Layer w0.254: RJ？1.3@17.346,68.347 17.367,68.326 v1(30.48,68.326)
ETH_SPD: RJ？1.9 U1.110 | length 37
  Top Layer w0.254: RJ？1.9@6.096,73.067 8.594,75.565 29.083,75.565 34.851,69.797 U1.110@34.851,64.933
ETH_TXN: RJ？1.2 U1.116 | length 12.4
  Top Layer w0.254: RJ？1.2@19.886,69.617 26.776,69.617 28.851,67.542 U1.116@28.851,64.933
ETH_TXP: RJ？1.1 U1.115 | length 17.1
  Top Layer w0.254: RJ？1.1@17.346,70.887 27.538,70.887 29.851,68.574 U1.115@29.851,64.933